# KiCad board d20_tri_r0.3_4x1.kicad_pcb (continued)
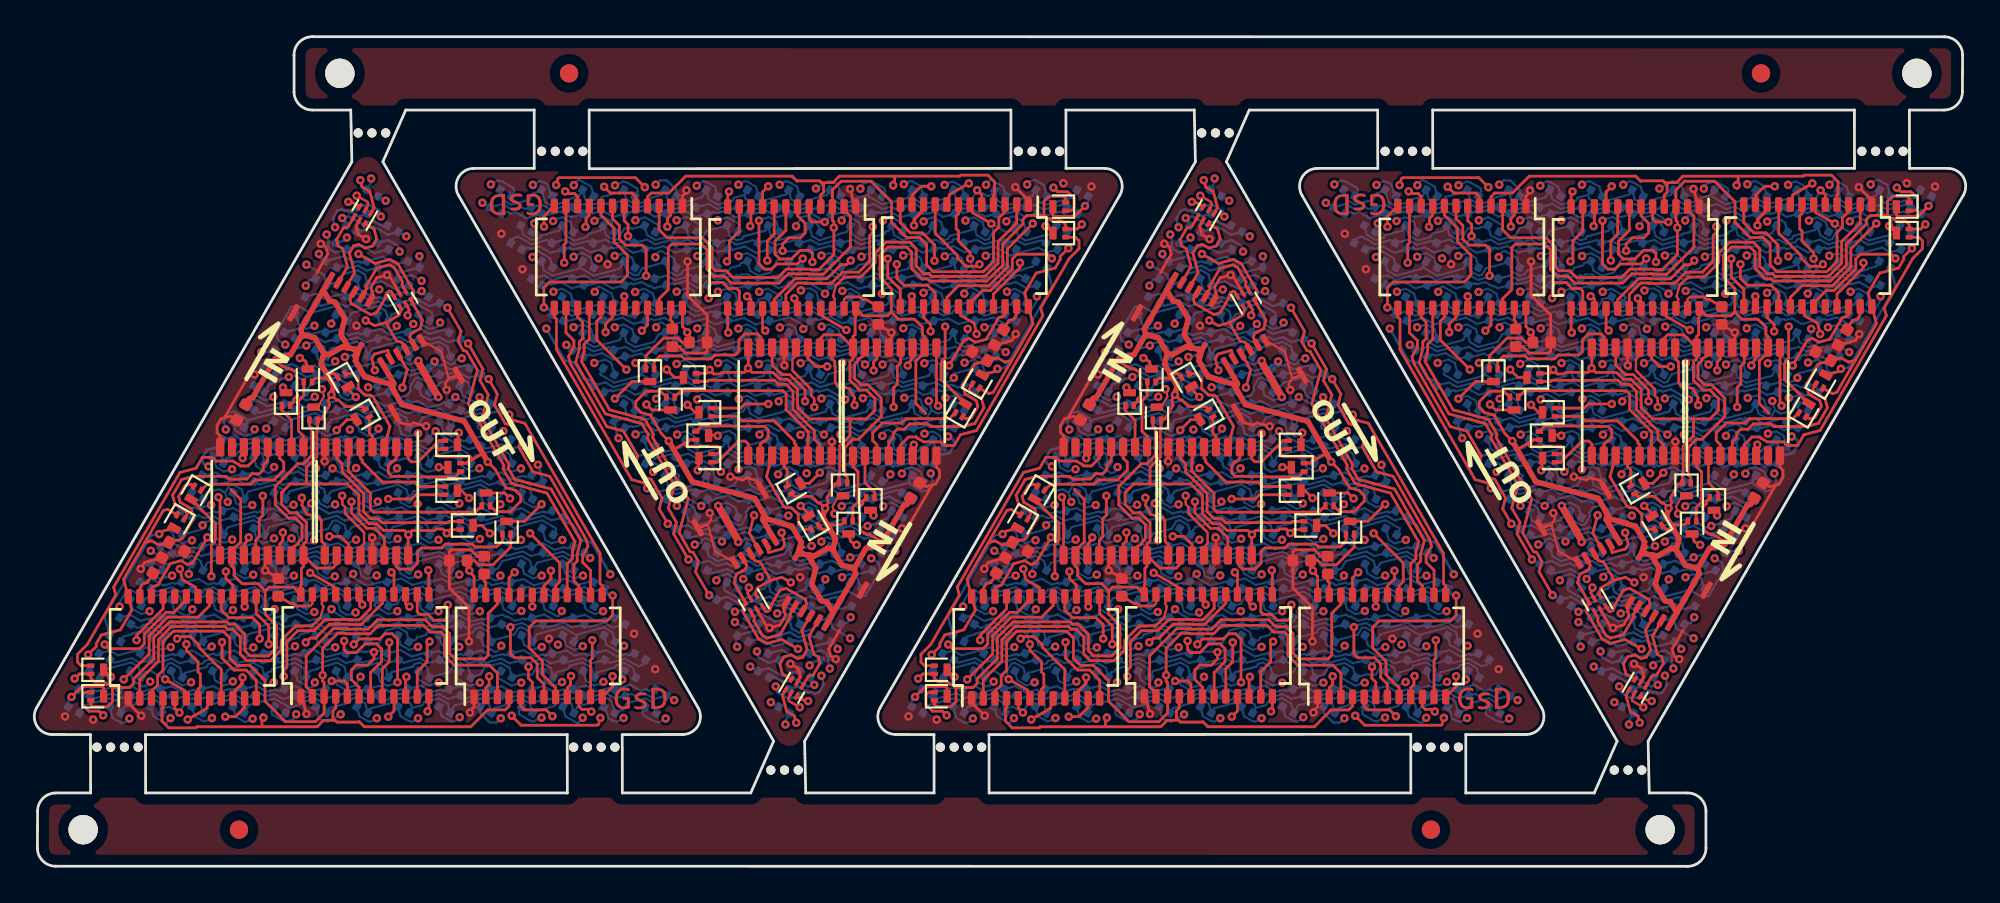
[diagram p0: board, top side]
## Routing (per net, layer and track width the routed paths; a pad name or vN(x,y) marks a point on that pad's centre or on a via; arc(x,y) is an arc through that point) (continued)
row_9: length 153.9
  Top w0.15: Q10.3 44.52,17.72 v1(44.85,17.53) 44.84,17.53 44.69,17.61 ; 14.64,27.64 14.49,27.72 v1(14.49,27.72) 14.81,27.53 Q10#2.3 ; 90.69,17.61 90.84,17.53 v1(90.85,17.53) 90.52,17.72 Q10#3.3 ; 60.64,27.64 60.49,27.72 v1(60.49,27.72) 60.81,27.53 Q10#4.3
  In1.Cu w0.4: v1(10.84,13.98) 11.58,12.68 11.56,12.6 v1(11.94,11.94) 13.04,10.03 v1(13.05,10.03) 13.54,9.19 13.81,9.11 v1(14.28,8.3) ; v1(8.6,17.78) 8.88,16.73 v1(8.43,15.94) ; v1(94.5,31.28) 93.75,32.57 93.77,32.65 v1(93.39,33.32) 92.29,35.22 v1(92.28,35.22) 91.79,36.07 91.52,36.14 v1(91.05,36.96) ; v1(96.73,27.47) 96.45,28.52 v1(96.9,29.31) ; v1(54.43,15.94) 54.88,16.73 v1(54.6,17.78) ; v1(56.84,13.98) 57.58,12.68 57.56,12.6 v1(57.94,11.94) 59.04,10.03 v1(59.05,10.03) 59.54,9.19 59.81,9.11 v1(60.28,8.3) ; v1(50.73,27.47) 50.45,28.52 v1(50.9,29.31) ; v1(48.5,31.28) 47.75,32.57 47.77,32.65 v1(47.39,33.32) 46.29,35.22 v1(46.28,35.22) 45.79,36.07 45.52,36.14 v1(45.05,36.96)
  In2.Cu w0.15: v1(10.84,13.98) 10.56,15.02 10.27,15.19 10.03,16.07 9.54,16.36 9,17.29 8.69,17.47 v1(8.6,17.78) 8.67,17.9 8.38,19.01 9.31,20.62 ; 9.31,20.62 10.44,20.92 ; 9.31,20.62 10.56,20.96 10.69,20.88 11.35,21.06 11.5,21.33 11.97,21.45 12.78,22.86 13.62,23.08 14.51,24.63 14.51,26.25 14.23,27.28 v1(14.49,27.72) ; v1(94.5,31.28) 94.77,30.24 95.06,30.07 95.3,29.18 95.8,28.9 96.33,27.97 96.65,27.79 v1(96.73,27.47) 96.66,27.35 96.96,26.25 96.02,24.63 ; 96.02,24.63 94.89,24.33 ; 96.02,24.63 94.77,24.3 94.64,24.37 93.99,24.2 93.83,23.93 93.36,23.8 92.55,22.4 91.71,22.17 90.82,20.63 90.82,19.01 91.1,17.97 v1(90.85,17.53) ; 55.31,20.62 56.56,20.96 56.69,20.88 57.35,21.06 57.5,21.33 57.97,21.45 58.78,22.86 59.62,23.08 60.51,24.63 60.51,26.25 60.23,27.28 v1(60.49,27.72) ; 55.31,20.62 56.44,20.92 ; 55.31,20.62 54.38,19.01 54.67,17.9 v1(54.6,17.78) 54.69,17.47 55,17.29 55.54,16.36 56.03,16.07 56.27,15.19 56.56,15.02 v1(56.84,13.98) ; v1(44.85,17.53) 45.1,17.97 44.82,19.01 44.82,20.63 45.71,22.17 46.55,22.4 47.36,23.8 47.83,23.93 47.99,24.2 48.64,24.37 48.77,24.3 50.02,24.63 ; v1(48.5,31.28) 48.77,30.24 49.06,30.07 49.3,29.18 49.8,28.9 50.33,27.97 50.65,27.79 v1(50.73,27.47) 50.66,27.35 50.96,26.25 50.02,24.63 ; 50.02,24.63 48.89,24.33
  Bottom w0.114: D150.1 51.71,27.37 51.28,27.62 v1(50.73,27.47) ; D147.1 48.35,33.17 47.87,33.45 v1(47.39,33.32) ; D148.1 49.47,31.23 49,31.5 48.55,31.38 v1(48.5,31.28) ; v1(11.94,11.94) 11.46,11.81 10.98,12.08 D147#2.1 ; v1(10.84,13.98) 10.78,13.88 10.33,13.76 9.86,14.03 D148#2.1 ; D150#2.1 7.62,17.88 8.05,17.64 v1(8.6,17.78) ; v1(14.28,8.3) 14.12,8.01 13.65,7.89 12.97,8.28 12.93,8.43 D145#2.1 ; v1(8.43,15.94) 8.38,16.12 D149#2.1 ; v1(93.39,33.32) 93.87,33.45 94.35,33.17 D147#3.1 ; v1(94.5,31.28) 94.55,31.38 95,31.5 95.47,31.23 D148#3.1 ; D150#3.1 97.71,27.37 97.28,27.62 v1(96.73,27.47) ; v1(91.05,36.96) 91.21,37.24 91.68,37.37 92.36,36.97 92.4,36.82 D145#3.1 ; v1(96.9,29.31) 96.95,29.14 D149#3.1 ; v1(57.94,11.94) 57.46,11.81 56.98,12.08 D147#4.1 ; v1(56.84,13.98) 56.78,13.88 56.33,13.76 55.86,14.03 D148#4.1 ; D150#4.1 53.62,17.88 54.05,17.64 v1(54.6,17.78) ; v1(60.28,8.3) 60.12,8.01 59.65,7.89 58.97,8.28 58.93,8.43 D145#4.1 ; v1(54.43,15.94) 54.38,16.12 D149#4.1 ; D149.1 50.95,29.14 v1(50.9,29.31) ; D145.1 46.4,36.82 46.36,36.97 45.68,37.37 45.21,37.24 v1(45.05,36.96)
  Bottom w0.127: v1(46.28,35.22) 46.31,35.28 46.78,35.4 47.49,34.99 47.52,34.88 D146.1 ; D146#2.1 11.81,10.38 11.84,10.26 12.55,9.85 13.02,9.98 v1(13.05,10.03) ; D146#3.1 93.52,34.88 93.49,34.99 92.78,35.4 92.31,35.28 v1(92.28,35.22) ; D146#4.1 57.81,10.38 57.84,10.26 58.55,9.85 59.02,9.98 v1(59.05,10.03)
row_10: length 128.1
  Top w0.15: 45.78,19.23 45.76,19.33 Q11.3 45.78,19.31 ; 13.55,25.94 Q11#2.3 13.57,25.93 13.55,26.03 ; 91.78,19.31 Q11#3.3 91.76,19.33 91.78,19.23 ; 59.55,25.94 Q11#4.3 59.57,25.93 59.55,26.03
  In1.Cu w0.15: v1(13.56,26.12) 13.17,26.22 13.15,26.26 10.6,25.57 7.64,20.43 8.16,18.47 7.78,17.79 7.96,17.09 7.43,16.17 v1(7.51,15.86) ; v1(91.77,19.14) 92.16,19.03 92.18,19 94.73,19.68 97.69,24.82 97.17,26.79 97.55,27.46 97.37,28.16 97.9,29.09 v1(97.82,29.4) ; v1(59.56,26.12) 59.17,26.22 59.15,26.26 56.6,25.57 53.64,20.43 54.16,18.47 53.78,17.79 53.96,17.09 53.43,16.17 v1(53.51,15.86) ; v1(51.82,29.4) 51.9,29.09 51.37,28.16 51.55,27.46 51.17,26.79 51.69,24.82 48.73,19.68 46.18,19 46.16,19.03 v1(45.77,19.14)
  In1.Cu w0.4: v1(11.91,8.05) 10.8,9.97 v1(10.83,10.08) 10.09,11.36 10.02,11.38 v1(9.67,11.98) 8.58,13.88 v1(8.62,14.01) ; v1(93.42,37.2) 94.53,35.28 v1(94.5,35.17) 95.24,33.89 95.31,33.88 v1(95.66,33.27) 96.75,31.38 v1(96.72,31.24) ; v1(57.91,8.05) 56.8,9.97 v1(56.83,10.08) 56.09,11.36 56.02,11.38 v1(55.67,11.98) 54.58,13.88 v1(54.62,14.01) ; v1(50.72,31.24) 50.75,31.38 v1(49.66,33.27) 49.31,33.88 49.24,33.89 v1(48.5,35.17) 48.53,35.28 v1(47.42,37.2)
  In2.Cu w0.15: 50.83,31.3 50.83,31.3 ; v1(8.62,14.01) 7.98,15.11 7.81,15.16 7.38,15.9 ; 96.83,31.3 96.83,31.3 ; v1(96.72,31.24) 97.35,30.14 97.52,30.1 97.95,29.36 ; v1(54.62,14.01) 53.98,15.11 53.81,15.16 53.38,15.9 ; v1(50.72,31.24) 51.35,30.14 51.52,30.1 51.95,29.36
  Bottom w0.114: v1(49.66,33.27) 49.9,33.34 49.93,33.39 50.13,33.44 50.59,33.17 D163.1 ; v1(48.5,35.17) 48.56,35.27 49,35.39 49.47,35.12 D162.1 ; v1(50.72,31.24) 50.88,31.52 51.1,31.58 51.72,31.23 D164.1 ; D162#2.1 9.86,10.14 10.33,9.87 10.77,9.99 v1(10.83,10.08) ; D163#2.1 8.74,12.08 9.21,11.81 9.4,11.86 9.43,11.92 v1(9.67,11.98) ; v1(8.62,14.01) 8.45,13.73 8.23,13.67 7.61,14.03 D164#2.1 ; D161#2.1 11,8.15 11.48,7.87 11.66,7.92 11.7,8 v1(11.91,8.05) ; v1(7.51,15.86) 7.2,15.77 7.2,15.77 6.85,15.67 6.52,15.86 D165#2.1 ; D162#4.1 95.47,35.12 95,35.39 94.56,35.27 v1(94.5,35.17) ; D163#3.1 96.59,33.17 96.13,33.44 95.93,33.39 95.9,33.34 v1(95.66,33.27) ; v1(96.72,31.24) 96.88,31.52 97.1,31.58 97.72,31.23 D164#4.1 ; D161#4.1 94.33,37.1 93.85,37.38 93.67,37.34 93.63,37.26 v1(93.42,37.2) ; v1(97.82,29.4) 98.13,29.48 98.13,29.49 98.48,29.58 98.81,29.39 D165#4.1 ; D162#3.1 55.86,10.14 56.33,9.87 56.77,9.99 v1(56.83,10.08) ; D163#4.1 54.74,12.08 55.21,11.81 55.4,11.86 55.43,11.92 v1(55.67,11.98) ; v1(54.62,14.01) 54.45,13.73 54.23,13.67 53.61,14.03 D164#3.1 ; D161#3.1 57,8.15 57.48,7.87 57.66,7.92 57.7,8 v1(57.91,8.05) ; v1(53.51,15.86) 53.2,15.77 53.2,15.77 52.85,15.67 52.52,15.86 D165#3.1 ; D161.1 48.33,37.1 47.85,37.38 47.67,37.34 47.63,37.26 v1(47.42,37.2) ; D165.1 52.81,29.39 52.48,29.58 52.13,29.49 52.13,29.48 v1(51.82,29.4)
row_11: length 100.4
  Top w0.15: v1(9.66,15.82) 9.66,17.52 9.82,17.68 9.88,17.89 9.88,18.69 Q12#2.3 ; v1(55.66,15.82) 55.66,17.52 55.82,17.68 55.88,17.89 55.88,18.69 Q12#4.3 ; v1(95.67,29.44) 95.67,27.74 95.51,27.57 95.45,27.37 95.45,26.56 Q12#3.3 ; Q12.3 49.45,26.56 49.45,27.37 49.51,27.57 49.67,27.74 v1(49.67,29.44)
  In1.Cu w0.15: 51.33,34.31 51.34,34.31 ; 8,10.94 7.99,10.95 ; 97.33,34.31 97.34,34.31 ; 54,10.94 53.99,10.95
  In1.Cu w0.2: 53.08,31.31 53.11,31.3 ; 6.25,13.94 6.22,13.95 ; v1(9.66,15.82) 7.85,14.78 7.71,14.26 9.17,11.73 9.14,11.6 8,10.94 ; v1(55.66,15.82) 53.85,14.78 53.71,14.26 55.17,11.73 55.14,11.6 54,10.94 ; 99.08,31.31 99.11,31.3 ; v1(95.67,29.44) 97.48,30.48 97.62,30.99 96.16,33.52 96.19,33.65 97.33,34.31 ; 52.25,13.94 52.22,13.95 ; 51.33,34.31 50.19,33.65 50.16,33.52 51.62,30.99 51.48,30.48 v1(49.67,29.44)
  In1.Cu w0.4: v1(6.29,13.91) 6.66,13.27 6.62,13.12 7.18,12.15 7.36,12.1 v1(7.44,11.96) 8.55,10.04 v1(8.55,10.04) 9.67,8.09 v1(9.69,8.09) ; v1(52.29,13.91) 52.66,13.27 52.62,13.12 53.18,12.15 53.36,12.1 v1(53.44,11.96) 54.55,10.04 v1(54.55,10.04) 55.67,8.09 v1(55.69,8.09) ; v1(99.04,31.34) 98.67,31.99 98.71,32.14 98.15,33.11 97.97,33.16 v1(97.89,33.3) 96.78,35.22 v1(96.78,35.22) 95.66,37.16 v1(95.64,37.17) ; v1(53.04,31.34) 52.67,31.99 52.71,32.14 52.15,33.11 51.97,33.16 v1(51.89,33.3) 50.78,35.22 v1(50.78,35.22) 49.66,37.16 v1(49.64,37.17)
  Bottom w0.114: v1(53.04,31.34) 53.07,31.38 53.5,31.5 53.96,31.23 D180.1 ; 51.9,33.26 51.94,33.33 52.37,33.44 52.84,33.17 D179.1 ; D178.1 51.72,35.12 51.25,35.39 50.81,35.27 v1(50.78,35.22) ; v1(8.55,10.04) 8.52,9.99 8.08,9.87 7.62,10.14 D178#2.1 ; D179#2.1 6.49,12.08 6.96,11.81 7.39,11.93 7.43,11.99 ; v1(6.29,13.91) 6.26,13.87 5.83,13.76 5.37,14.03 D180#2.1 ; D177#2.1 8.74,8.19 9.23,7.91 9.65,8.02 v1(9.69,8.09) ; D177#4.1 54.74,8.19 55.23,7.91 55.65,8.02 v1(55.69,8.09) ; v1(96.78,35.22) 96.81,35.27 97.25,35.39 97.72,35.12 D178#3.1 ; D179#3.1 98.84,33.17 98.37,33.44 97.94,33.33 97.9,33.26 ; v1(99.04,31.34) 99.07,31.38 99.5,31.5 99.96,31.23 D180#4.1 ; D177#3.1 96.59,37.06 96.1,37.35 95.68,37.24 v1(95.64,37.17) ; v1(54.55,10.04) 54.52,9.99 54.08,9.87 53.62,10.14 D178#4.1 ; D179#4.1 52.49,12.08 52.96,11.81 53.39,11.93 53.43,11.99 ; v1(52.29,13.91) 52.26,13.87 51.83,13.76 51.37,14.03 D180#3.1 ; D177.1 50.59,37.06 50.1,37.35 49.68,37.24 v1(49.64,37.17)
row_12: length 93
  Top w0.15: Q13#2.3 6.88,18.25 v1(6.81,18.12) ; Q13#3.3 52.88,18.25 v1(52.81,18.12) ; Q13#4.3 98.45,27 v1(98.52,27.13) ; v1(52.52,27.13) 52.45,27 Q13.3
  In1.Cu w0.15: 6.77,18.15 6.48,18.31 5.97,18.17 4.72,16.01 4.76,15.87 4.47,15.37 ; 52.77,18.15 52.48,18.31 51.97,18.17 50.72,16.01 50.76,15.87 50.47,15.37 ; 98.56,27.11 98.85,26.95 99.36,27.08 100.61,29.25 100.57,29.39 100.86,29.88 ; 52.56,27.11 52.85,26.95 53.36,27.08 54.61,29.25 54.57,29.39 54.86,29.88
  In1.Cu w0.25: v1(7.43,8.08) 7.44,8.14 v1(6.32,10.08) 4.25,13.66 4.01,14.57 4.47,15.37 ; v1(53.43,8.08) 53.44,8.14 v1(52.32,10.08) 50.25,13.66 50.01,14.57 50.47,15.37 ; v1(97.91,37.17) 97.89,37.12 v1(99.01,35.18) 101.08,31.59 101.32,30.69 100.86,29.88 ; v1(51.91,37.17) 51.89,37.12 v1(53.01,35.18) 55.08,31.59 55.32,30.69 54.86,29.88
  Bottom w0.114: 51.95,37.14 52.11,37.42 52.19,37.44 52.84,37.06 D193.1 ; D193#2.1 6.49,8.19 7.14,7.82 7.22,7.84 7.38,8.12 ; v1(6.32,10.08) 6.06,9.82 5.89,9.82 5.37,10.12 D194#2.1 ; D193#3.1 52.49,8.19 53.14,7.82 53.22,7.84 53.38,8.12 ; v1(52.32,10.08) 52.06,9.82 51.89,9.82 51.37,10.12 D194#3.1 ; D193#4.1 98.84,37.06 98.19,37.44 98.11,37.42 97.95,37.14 ; v1(99.01,35.18) 99.27,35.43 99.44,35.43 99.96,35.14 D194#4.1 ; D194.1 53.96,35.14 53.44,35.43 53.27,35.43 v1(53.01,35.18)
  Bottom w0.127: 6.77,18.15 6.38,18.04 3.83,13.63 D195#2.1 ; 52.77,18.15 52.38,18.04 49.83,13.63 D195#3.1 ; 98.56,27.11 98.95,27.21 101.5,31.63 D195#4.1 ; D195.1 55.5,31.63 52.95,27.21 52.56,27.11
row_13: length 27.5
  Top w0.15: v1(4.18,10.34) 4.16,10.34 Q14#2.3 ; v1(50.18,10.34) 50.16,10.34 Q14#4.3 ; v1(101.15,34.92) 101.17,34.92 Q14#3.3 ; Q14.3 55.17,34.92 v1(55.15,34.92)
  In1.Cu w0.25: v1(4.18,10.34) 4.18,9.07 v1(5.19,8.06) ; v1(50.18,10.34) 50.18,9.07 v1(51.19,8.06) ; v1(101.15,34.92) 101.15,36.19 v1(100.14,37.19) ; v1(54.14,37.19) 55.15,36.19 v1(55.15,34.92)
  Bottom w0.114: v1(4.18,10.34) 3.97,9.97 3.59,9.87 3.12,10.14 D210#2.1 ; D209#2.1 4.27,8.1 4.76,7.82 5.09,7.91 v1(5.19,8.06) ; v1(50.18,10.34) 49.97,9.97 49.59,9.87 49.12,10.14 D210#3.1 ; D209#3.1 50.27,8.1 50.76,7.82 51.09,7.91 v1(51.19,8.06) ; v1(101.15,34.92) 101.36,35.29 101.74,35.39 102.21,35.12 D210#4.1 ; D209#4.1 101.06,37.16 100.57,37.44 100.24,37.35 v1(100.14,37.19) ; D209.1 55.06,37.16 54.57,37.44 54.24,37.35 v1(54.14,37.19) ; D210.1 56.21,35.12 55.74,35.39 55.36,35.29 v1(55.15,34.92)
row_14: length 12.3
  Top w0.15: v1(2.03,9.24) 2.6,9.81 3.69,9.81 3.78,9.72 Q15#2.3 ; v1(48.03,9.24) 48.6,9.81 49.69,9.81 49.78,9.72 Q15#4.3 ; v1(103.3,36.02) 102.73,35.44 101.64,35.44 101.55,35.53 Q15#3.3 ; Q15.3 55.55,35.53 55.64,35.44 56.73,35.44 v1(57.3,36.02)
  Bottom w0.114: D225#2.1 1.86,9.07 v1(2.03,9.24) ; D225#3.1 47.86,9.07 v1(48.03,9.24) ; D225#4.1 103.47,36.19 v1(103.3,36.02) ; v1(57.3,36.02) 57.47,36.19 D225.1
sclk: length 316.5
  Top w0.15: v1(47.64,27.31) 48,27.94 U5.11 ; U5#2.11 11.34,17.32 v1(11.69,17.94) ; U4#2.11 17.14,17.56 16.71,17.99 v1(16.09,17.99) ; U3#2.3 6.39,9.55 6.73,9.88 6.73,10.39 7.02,10.68 7.02,12.26 7.59,12.83 10.29,12.83 10.67,12.46 10.67,11.35 11.05,10.96 11.75,10.96 12.58,10.13 12.58,9.01 13.7,7.89 15.33,7.89 15.8,8.36 U2#2.3 15.8,10.02 15.73,10.1 v1(15.73,10.42) 15.73,11.89 16.55,12.71 16.99,12.71 17.02,12.68 18.31,12.68 18.77,13.14 21.23,13.14 21.6,12.77 22.19,12.77 22.37,12.59 22.37,11.5 22.9,10.97 24.82,10.97 25.26,10.53 U1#2.3 ; J2#2.5 20.48,28.83 20.54,29.06 20.69,29.14 20.71,29.13 21.04,29.33 21.17,29.79 U7#2.6 20.69,31.36 19.83,32.86 19.4,33.11 18.57,32.88 v1(17.68,33.4) ; U5#3.11 57.34,17.32 v1(57.69,17.94) ; U4#4.11 63.14,17.56 62.71,17.99 v1(62.09,17.99) ; U3#4.3 52.39,9.55 52.73,9.88 52.73,10.39 53.02,10.68 53.02,12.26 53.59,12.83 56.29,12.83 56.67,12.46 56.67,11.35 57.05,10.96 57.75,10.96 58.58,10.13 58.58,9.01 59.7,7.89 61.33,7.89 61.8,8.36 U2#3.3 61.8,10.02 61.73,10.1 v1(61.73,10.42) 61.73,11.89 62.55,12.71 62.99,12.71 63.02,12.68 64.31,12.68 64.77,13.14 67.23,13.14 67.6,12.77 68.19,12.77 68.37,12.59 68.37,11.5 68.9,10.97 70.82,10.97 71.26,10.53 U1#3.3 ; J2#3.5 66.48,28.83 66.54,29.06 66.69,29.14 66.71,29.13 67.04,29.33 67.17,29.79 U7#4.6 66.69,31.36 65.83,32.86 65.4,33.11 64.57,32.88 v1(63.68,33.4) ; U5#4.11 94,27.94 v1(93.64,27.31) ; U4#3.11 88.19,27.7 88.62,27.26 v1(89.24,27.26) ; U3#3.3 98.94,35.71 98.6,35.37 98.6,34.86 98.31,34.57 98.31,32.99 97.74,32.43 95.04,32.43 94.66,32.8 94.66,33.91 94.28,34.29 93.58,34.29 92.75,35.12 92.75,36.25 91.63,37.37 90,37.37 89.53,36.89 U2#4.3 89.53,35.23 89.61,35.16 v1(89.61,34.83) 89.61,33.37 88.79,32.55 88.34,32.55 88.32,32.57 87.02,32.57 86.56,32.11 84.1,32.11 83.74,32.48 83.15,32.48 82.97,32.66 82.97,33.75 82.44,34.28 80.51,34.28 80.08,34.72 U1#4.3 ; J2#4.5 84.85,16.43 84.79,16.2 84.65,16.12 84.63,16.12 84.29,15.93 84.16,15.47 U7#3.6 84.64,13.89 85.5,12.39 85.93,12.15 86.76,12.37 v1(87.65,11.86) ; U1.3 34.08,34.72 34.51,34.28 36.44,34.28 36.97,33.75 36.97,32.66 37.15,32.48 37.74,32.48 38.1,32.11 40.56,32.11 41.02,32.57 42.32,32.57 42.34,32.55 42.79,32.55 43.61,33.37 v1(43.61,34.83) 43.61,35.16 43.53,35.23 U2.3 43.53,36.89 44,37.37 45.63,37.37 46.75,36.25 46.75,35.12 47.58,34.29 48.28,34.29 48.66,33.91 48.66,32.8 49.04,32.43 51.74,32.43 52.31,32.99 52.31,34.57 52.6,34.86 52.6,35.37 52.94,35.71 U3.3 ; J2.5 38.85,16.43 38.79,16.2 38.65,16.12 38.63,16.12 38.29,15.93 38.16,15.47 U7.6 38.64,13.89 39.5,12.39 39.93,12.15 40.76,12.37 v1(41.65,11.86) ; U4.11 42.19,27.7 42.62,27.26 v1(43.24,27.26)
  In2.Cu w0.15: v1(15.73,10.42) 15.73,10.92 15.6,11.05 15.6,12.9 14.61,13.89 14.61,16.52 v1(16.09,17.99) ; v1(16.09,17.99) 15.86,18.22 15.86,20.42 15.6,20.68 14.59,20.68 13.38,19.98 11.69,18.29 v1(11.69,17.94) ; v1(16.09,17.99) 18.58,19.43 19.51,19.19 19.76,19.43 19.76,20.71 19.26,21.21 19.26,22.89 19.54,23.18 19.54,25.02 19.81,25.29 19.81,25.75 19.81,25.76 19.61,26.11 19.7,26.44 19.32,27.83 18.61,29.06 18.61,29.06 18.4,29.42 18.64,30.31 17.42,32.43 v1(17.68,33.4) ; v1(61.73,10.42) 61.73,10.92 61.6,11.05 61.6,12.9 60.61,13.89 60.61,16.52 v1(62.09,17.99) ; v1(62.09,17.99) 61.86,18.22 61.86,20.42 61.6,20.68 60.59,20.68 59.38,19.98 57.69,18.29 v1(57.69,17.94) ; v1(62.09,17.99) 64.58,19.43 65.51,19.19 65.76,19.43 65.76,20.71 65.26,21.21 65.26,22.89 65.54,23.18 65.54,25.02 65.81,25.29 65.81,25.75 65.81,25.76 65.61,26.11 65.7,26.44 65.32,27.83 64.61,29.06 64.61,29.06 64.4,29.42 64.64,30.31 63.42,32.43 v1(63.68,33.4) ; v1(89.61,34.83) 89.61,34.33 89.74,34.2 89.74,32.35 90.72,31.37 90.72,28.74 v1(89.24,27.26) ; v1(89.24,27.26) 89.47,27.03 89.47,24.83 89.73,24.58 90.74,24.58 91.95,25.27 93.64,26.96 v1(93.64,27.31) ; v1(89.24,27.26) 86.75,25.82 85.82,26.07 85.57,25.82 85.58,24.54 86.08,24.04 86.08,22.36 85.79,22.08 85.79,20.23 85.52,19.97 85.52,19.51 85.52,19.5 85.72,19.15 85.63,18.81 86.01,17.43 86.72,16.2 86.72,16.2 86.93,15.84 86.69,14.94 87.91,12.82 v1(87.65,11.86) ; v1(47.64,27.31) 47.64,26.96 45.95,25.27 44.74,24.58 43.73,24.58 43.47,24.83 43.47,27.03 v1(43.24,27.26) ; v1(41.65,11.86) 41.91,12.82 40.69,14.94 40.93,15.84 40.72,16.2 40.72,16.2 40.01,17.43 39.63,18.81 39.72,19.15 39.52,19.5 39.52,19.51 39.52,19.97 39.79,20.23 39.79,22.08 40.08,22.36 40.08,24.04 39.58,24.54 39.57,25.82 39.82,26.07 40.75,25.82 v1(43.24,27.26) ; v1(43.24,27.26) 44.72,28.74 44.72,31.37 43.74,32.35 43.74,34.2 43.61,34.33 v1(43.61,34.83)
sclk_i: length 16.9
  Top w0.15: J1#2.5 18.12,31.51 18.09,31.63 18.66,32.61 19.39,32.81 19.61,32.68 20.09,31.86 20.05,31.72 U7#2.1 ; J1#3.5 64.12,31.51 64.09,31.63 64.66,32.61 65.39,32.81 65.61,32.68 66.09,31.86 66.05,31.72 U7#4.1 ; J1#4.5 87.21,13.74 87.24,13.63 86.67,12.64 85.94,12.45 85.72,12.58 85.24,13.4 85.28,13.53 U7#3.1 ; U7.1 39.28,13.53 39.24,13.4 39.72,12.58 39.94,12.45 40.67,12.64 41.24,13.63 41.21,13.74 J1.5
sdo_U1>sdi_U2: length 72.8
  Top w0.15: U2#2.2 15.17,9.44 14.83,9.79 14.83,11.49 16.3,12.96 17.09,12.96 17.12,12.94 18.21,12.94 18.72,13.45 21.32,13.45 21.7,13.07 22.27,13.07 22.64,12.7 22.64,11.63 22.96,11.31 24.56,11.31 24.76,11.51 24.76,13.8 25.26,14.3 U1#2.22 ; U2#4.2 90.16,35.81 90.5,35.47 90.5,33.77 89.03,32.29 88.24,32.29 88.21,32.32 87.12,32.32 86.61,31.81 84.01,31.81 83.64,32.18 83.07,32.18 82.69,32.56 82.69,33.63 82.38,33.94 80.78,33.94 80.58,33.74 80.58,31.46 80.08,30.96 U1#4.22 ; U2#3.2 61.17,9.44 60.83,9.79 60.83,11.49 62.3,12.96 63.09,12.96 63.12,12.94 64.21,12.94 64.72,13.45 67.32,13.45 67.7,13.07 68.27,13.07 68.64,12.7 68.64,11.63 68.96,11.31 70.56,11.31 70.76,11.51 70.76,13.8 71.26,14.3 U1#3.22 ; U2.2 44.16,35.81 44.5,35.47 44.5,33.77 43.03,32.29 42.24,32.29 42.21,32.32 41.12,32.32 40.61,31.81 38.01,31.81 37.64,32.18 37.07,32.18 36.69,32.56 36.69,33.63 36.38,33.94 34.78,33.94 34.58,33.74 34.58,31.46 34.08,30.96 U1.22
sdo_U2>sdi_U3: length 66.8
  Top w0.127: 15.61,13.58 15.77,14.16 15.67,14.33 U2#2.22 ; 89.72,31.68 89.56,31.09 89.66,30.92 U2#4.22 ; 61.61,13.58 61.77,14.16 61.67,14.33 U2#3.22 ; 43.72,31.68 43.56,31.09 43.66,30.92 U2.22
  Top w0.15: 15.61,13.58 15.15,13.11 14.26,13.11 13.47,12.32 13.47,11.81 12.88,11.21 11.59,11.21 11.24,11.56 11.24,12.51 10.83,12.92 10.55,12.92 10.4,13.08 7.48,13.08 6.77,12.37 6.77,11.18 5.75,10.17 U3#2.2 ; 89.72,31.68 90.18,32.14 91.07,32.14 91.86,32.93 91.86,33.45 92.46,34.04 93.75,34.04 94.1,33.69 94.1,32.74 94.5,32.33 94.78,32.33 94.93,32.18 97.85,32.18 98.56,32.89 98.56,34.07 99.58,35.09 U3#3.2 ; 61.61,13.58 61.15,13.11 60.26,13.11 59.47,12.32 59.47,11.81 58.88,11.21 57.59,11.21 57.24,11.56 57.24,12.51 56.83,12.92 56.55,12.92 56.4,13.08 53.48,13.08 52.77,12.37 52.77,11.18 51.75,10.17 U3#4.2 ; U3.2 53.58,35.09 52.56,34.07 52.56,32.89 51.85,32.18 48.93,32.18 48.78,32.33 48.5,32.33 48.1,32.74 48.1,33.69 47.75,34.04 46.46,34.04 45.86,33.45 45.86,32.93 45.07,32.14 44.18,32.14 43.72,31.68
sdo_U3: length 78.8
  Top w0.15: v1(9.44,17.95) 8.63,16.54 8.35,16.47 8,16.67 7.42,16.51 6.75,15.34 6.46,15.26 6.31,15.01 U3#2.22 ; U4#2.14 19.09,17.92 18.57,18.43 18.14,18.43 17.3,19.27 v1(17.3,19.89) ; v1(95.89,27.31) 96.7,28.71 96.98,28.79 97.33,28.59 97.91,28.75 98.58,29.91 98.87,29.99 99.02,30.25 U3#3.22 ; U4#3.14 86.24,27.34 86.76,26.82 87.19,26.82 88.03,25.98 v1(88.03,25.37) ; v1(55.44,17.95) 54.63,16.54 54.35,16.47 54,16.67 53.42,16.51 52.75,15.34 52.46,15.26 52.31,15.01 U3#4.22 ; U4#4.14 65.09,17.92 64.57,18.43 64.14,18.43 63.3,19.27 v1(63.3,19.89) ; U4.14 40.24,27.34 40.76,26.82 41.19,26.82 42.03,25.98 v1(42.03,25.37) ; U3.22 53.02,30.25 52.87,29.99 52.58,29.91 51.91,28.75 51.33,28.59 50.98,28.79 50.7,28.71 v1(49.89,27.31)
  In2.Cu w0.15: v1(9.44,17.95) 9.44,18.27 10.2,19.03 10.33,19.03 10.97,19.2 11.45,20.03 11.71,20.1 12.47,20.85 13.72,20.85 14.15,21.28 16.82,21.28 17.3,20.8 v1(17.3,19.89) ; v1(95.89,27.31) 95.89,26.98 95.13,26.23 95,26.23 94.36,26.06 93.88,25.23 93.62,25.16 92.87,24.41 91.62,24.41 91.18,23.97 88.51,23.97 88.03,24.45 v1(88.03,25.37) ; v1(55.44,17.95) 55.44,18.27 56.2,19.03 56.33,19.03 56.97,19.2 57.45,20.03 57.71,20.1 58.47,20.85 59.72,20.85 60.15,21.28 62.82,21.28 63.3,20.8 v1(63.3,19.89) ; v1(42.03,25.37) 42.03,24.45 42.51,23.97 45.18,23.97 45.62,24.41 46.87,24.41 47.62,25.16 47.88,25.23 48.36,26.06 49,26.23 49.13,26.23 49.89,26.98 v1(49.89,27.31)
sdo_U4>sdi_U5: length 30.3
  Top w0.15: v1(14.59,20.1) 14.66,19.98 14.59,19.71 14.89,19.2 15.55,19.02 15.66,18.84 15.66,18 15.67,17.98 15.67,17.73 15.84,17.56 U4#2.9 ; v1(13.56,18.21) 13.56,17.75 13.38,17.58 U5#2.14 ; v1(60.59,20.1) 60.66,19.98 60.59,19.71 60.89,19.2 61.55,19.02 61.66,18.84 61.66,18 61.67,17.98 61.67,17.73 61.84,17.56 U4#4.9 ; v1(59.56,18.21) 59.56,17.75 59.38,17.58 U5#3.14 ; v1(90.74,25.15) 90.67,25.28 90.74,25.55 90.44,26.06 89.78,26.24 89.68,26.41 89.68,27.26 89.66,27.27 89.66,27.53 89.49,27.7 U4#3.9 ; v1(91.77,27.05) 91.77,27.5 91.95,27.68 U5#4.14 ; v1(45.77,27.05) 45.77,27.5 45.95,27.68 U5.14 ; U4.9 43.49,27.7 43.66,27.53 43.66,27.27 43.68,27.26 43.68,26.41 43.78,26.24 44.44,26.06 44.74,25.55 44.67,25.28 v1(44.74,25.15)
  In2.Cu w0.15: v1(13.56,18.21) 13.84,18.37 14.03,19.07 14.51,19.35 14.59,19.49 14.59,19.49 v1(14.59,20.1) ; v1(59.56,18.21) 59.84,18.37 60.03,19.07 60.51,19.35 60.59,19.49 60.59,19.49 v1(60.59,20.1) ; v1(91.77,27.05) 91.49,26.88 91.3,26.18 90.82,25.9 90.74,25.77 90.74,25.76 v1(90.74,25.15) ; v1(44.74,25.15) 44.74,25.76 44.74,25.77 44.82,25.9 45.3,26.18 45.49,26.88 v1(45.77,27.05)
srow_0: length 31.8
  Top w0.15: U4#2.15 19.74,16.36 19.88,16.21 20.58,16.21 20.91,16.54 20.91,17.16 21.11,17.36 22.21,17.36 22.42,17.58 23.88,17.58 24.03,17.42 25.21,17.42 25.53,17.74 Q1#2.1 ; U4#3.15 85.59,28.9 85.45,29.04 84.75,29.04 84.43,28.71 84.43,28.09 84.23,27.89 83.13,27.89 82.91,27.68 81.45,27.68 81.3,27.83 80.12,27.83 79.8,27.52 Q1#4.1 ; U4#4.15 65.74,16.36 65.88,16.21 66.58,16.21 66.91,16.54 66.91,17.16 67.11,17.36 68.21,17.36 68.42,17.58 69.88,17.58 70.03,17.42 71.21,17.42 71.53,17.74 Q1#3.1 ; Q1.1 33.8,27.52 34.12,27.83 35.3,27.83 35.45,27.68 36.91,27.68 37.13,27.89 38.23,27.89 38.43,28.09 38.43,28.71 38.75,29.04 39.45,29.04 39.59,28.9 U4.15
srow_1: length 12.6
  Top w0.15: U4#2.1 20.39,22.23 20.56,22.06 20.93,22.06 22.08,23.21 Q2#2.1 ; U4#3.1 84.94,23.03 84.78,23.19 84.4,23.19 83.25,22.04 Q2#4.1 ; Q2#3.1 68.08,23.21 66.93,22.06 66.56,22.06 66.39,22.23 U4#4.1 ; U4.1 38.94,23.03 38.78,23.19 38.4,23.19 37.25,22.04 Q2.1
srow_2: length 23.1
  Top w0.15: U4#2.2 19.74,22.26 19.55,22.06 19.48,22.06 19.31,21.88 19.31,21.45 19.5,21.26 20.93,21.26 20.96,21.24 22.95,21.24 Q3#2.1 ; U4#3.2 85.59,23 85.78,23.19 85.85,23.19 86.03,23.37 86.03,23.8 85.84,23.99 84.4,23.99 84.37,24.02 82.38,24.02 Q3#4.1 ; U4#4.2 65.74,22.26 65.55,22.06 65.48,22.06 65.31,21.88 65.31,21.45 65.5,21.26 66.93,21.26 66.96,21.24 68.95,21.24 Q3#3.1 ; U4.2 39.59,23 39.78,23.19 39.85,23.19 40.03,23.37 40.03,23.8 39.84,23.99 38.4,23.99 38.37,24.02 36.38,24.02 Q3.1
srow_3: length 21.5
  Top w0.15: U4#2.3 19.4,24.01 18.47,25.62 18.33,25.7 18.03,25.7 17.67,26.07 17.67,26.58 17.37,26.88 Q4#2.1 ; U4#3.3 85.93,21.25 86.86,19.64 87,19.55 87.3,19.55 87.66,19.19 87.66,18.68 87.97,18.38 Q4#4.1 ; U4#4.3 65.4,24.01 64.47,25.62 64.33,25.7 64.03,25.7 63.67,26.07 63.67,26.58 63.37,26.88 Q4#3.1 ; Q4.1 41.97,18.38 41.66,18.68 41.66,19.19 41.3,19.55 41,19.55 40.86,19.64 39.93,21.25 U4.3
srow_4: length 6.9
  Top w0.15: U4#2.4 18.44,23.46 18.27,23.63 Q5#2.1 ; U4#4.4 64.44,23.46 64.27,23.63 Q5#3.1 ; U4#3.4 86.89,21.8 87.06,21.63 Q5#4.1 ; Q5.1 41.06,21.63 40.89,21.8 U4.4
srow_5: length 23.6
  Top w0.15: Q6#2.1 20.98,20.71 20.73,20.96 18.98,20.96 17.88,22.06 17.88,22.17 17.79,22.26 U4#2.5 ; U4#4.5 63.79,22.26 63.88,22.17 63.88,22.06 64.98,20.96 66.73,20.96 66.98,20.71 Q6#3.1 ; Q6#4.1 84.36,24.54 84.6,24.29 86.35,24.29 87.45,23.2 87.45,23.09 87.54,23 U4#3.5 ; U4.5 41.54,23 41.45,23.09 41.45,23.2 40.35,24.29 38.6,24.29 38.36,24.54 Q6.1
srow_6: length 40.7
  Top w0.15: Q7#2.1 24.06,19.31 18.51,19.31 18.33,19.49 18.33,20.35 17.13,21.55 17.13,21.99 17.14,22.01 U4#2.6 ; Q7#4.1 81.28,25.94 86.83,25.94 87,25.76 87,24.9 88.21,23.7 88.21,23.26 88.19,23.24 U4#3.6 ; Q7#3.1 70.06,19.31 64.51,19.31 64.33,19.49 64.33,20.35 63.13,21.55 63.13,21.99 63.14,22.01 U4#4.6 ; U4.6 42.19,23.24 42.21,23.26 42.21,23.7 41,24.9 41,25.76 40.83,25.94 35.28,25.94 Q7.1
srow_7: length 38.7
  Top w0.15: Q8#2.1 22.62,18.81 22.55,18.75 18.97,18.75 18.76,18.96 18.34,18.96 17.96,19.34 17.96,20.35 16.79,21.52 16.79,21.96 16.49,22.26 U4#2.7 ; Q8#3.1 68.62,18.81 68.55,18.75 64.97,18.75 64.76,18.96 64.34,18.96 63.96,19.34 63.96,20.35 62.79,21.52 62.79,21.96 62.49,22.26 U4#4.7 ; Q8#4.1 82.71,26.44 82.78,26.51 86.36,26.51 86.58,26.29 86.99,26.29 87.38,25.91 87.38,24.91 88.55,23.74 88.55,23.29 88.84,23 U4#3.7 ; Q8.1 36.71,26.44 36.78,26.51 40.36,26.51 40.58,26.29 40.99,26.29 41.38,25.91 41.38,24.91 42.55,23.74 42.55,23.29 42.84,23 U4.7
srow_8: length 38
  Top w0.15: Q9#2.1 15,24.04 15.13,23.91 15.13,22.4 14.69,21.96 14.38,21.96 13.14,20.72 13.14,19.72 13.87,18.98 14.26,18.98 14.6,18.64 14.6,17.88 14.43,17.72 14.4,17.58 14.16,17.45 U5#2.15 ; Q9#4.1 61,24.04 61.13,23.91 61.13,22.4 60.69,21.96 60.38,21.96 59.14,20.72 59.14,19.72 59.87,18.98 60.26,18.98 60.6,18.64 60.6,17.88 60.43,17.72 60.4,17.58 60.16,17.45 U5#3.15 ; Q9#3.1 90.33,21.21 90.2,21.34 90.2,22.85 90.64,23.29 90.95,23.29 92.19,24.53 92.19,25.54 91.46,26.27 91.07,26.27 90.74,26.61 90.74,27.37 90.9,27.54 90.93,27.67 91.17,27.81 U5#4.15 ; Q9.1 44.33,21.21 44.2,21.34 44.2,22.85 44.64,23.29 44.95,23.29 46.19,24.53 46.19,25.54 45.46,26.27 45.07,26.27 44.74,26.61 44.74,27.37 44.9,27.54 44.93,27.67 45.17,27.81 U5.15
srow_9: length 15.2
  Top w0.15: U5.1 44.65,21.79 44.92,21.52 44.92,19.87 44.63,19.58 Q10.1 ; U5#2.1 14.68,23.46 14.41,23.74 14.41,25.38 14.7,25.67 Q10#2.1 ; U5#3.1 60.68,23.46 60.41,23.74 60.41,25.38 60.7,25.67 Q10#4.1 ; U5#4.1 90.65,21.79 90.92,21.52 90.92,19.87 90.63,19.58 Q10#3.1
srow_10: length 10
  Top w0.15: U5.2 45.3,20.92 45.83,20.4 Q11.1 ; U5#2.2 14.03,24.33 13.51,24.86 Q11#2.1 ; U5#3.2 60.03,24.33 59.51,24.86 Q11#4.1 ; U5#4.2 91.3,20.92 91.83,20.4 Q11#3.1
srow_11: length 25.2
  Top w0.15: U5#2.3 13.38,22.26 13.61,22.04 13.61,21.61 13.07,21.08 12.05,21.08 11.81,20.84 9.43,20.84 Q12#2.1 ; U5#3.3 59.38,22.26 59.61,22.04 59.61,21.61 59.07,21.08 58.05,21.08 57.81,20.84 55.43,20.84 Q12#4.1 ; U5#4.3 91.95,22.99 91.73,23.22 91.73,23.64 92.26,24.18 93.28,24.18 93.52,24.42 95.9,24.42 Q12#3.1 ; Q12.1 49.9,24.42 47.52,24.42 47.28,24.18 46.26,24.18 45.73,23.64 45.73,23.22 45.95,22.99 U5.3
srow_12: length 35.1
  Top w0.15: U5#2.4 12.73,22.12 12.49,21.87 12.49,21.62 12.27,21.41 11.88,21.41 11.59,21.12 10.61,21.12 10.47,21.27 8.67,21.27 8.04,21.1 7.54,20.24 7.68,19.73 8.29,19.38 8.33,19.21 Q13#2.1 ; U5#3.4 58.73,22.12 58.49,21.87 58.49,21.62 58.27,21.41 57.88,21.41 57.59,21.12 56.61,21.12 56.47,21.27 54.67,21.27 54.04,21.1 53.54,20.24 53.68,19.73 54.29,19.38 54.33,19.21 Q13#3.1 ; U5#4.4 92.6,23.14 92.85,23.38 92.85,23.63 93.06,23.84 93.45,23.84 93.74,24.13 94.72,24.13 94.86,23.99 96.66,23.99 97.29,24.16 97.79,25.02 97.65,25.53 97.05,25.88 97,26.05 Q13#4.1 ; Q13.1 51,26.05 51.05,25.88 51.65,25.53 51.79,25.02 51.29,24.16 50.66,23.99 48.86,23.99 48.72,24.13 47.74,24.13 47.45,23.84 47.06,23.84 46.85,23.63 46.85,23.38 46.6,23.14 U5.4
srow_13: length 72.9
  Top w0.15: U5#2.5 12.08,22.26 11.66,21.84 11.23,21.84 11.16,21.91 10.82,22.11 9.91,22.11 9.72,22.3 9.17,22.3 8.83,21.72 7.94,21.48 4.33,15.23 4.45,14.8 2.89,12.1 2.36,11.57 2.36,11.14 2.55,10.94 Q14#2.1 ; U5#3.5 58.08,22.26 57.66,21.84 57.23,21.84 57.16,21.91 56.82,22.11 55.91,22.11 55.72,22.3 55.17,22.3 54.83,21.72 53.94,21.48 50.33,15.23 50.45,14.8 48.89,12.1 48.36,11.57 48.36,11.14 48.55,10.94 Q14#4.1 ; U5#4.5 93.25,22.99 93.68,23.42 94.1,23.42 94.17,23.34 94.51,23.15 95.42,23.15 95.62,22.95 96.16,22.95 96.5,23.54 97.39,23.77 101,30.03 100.88,30.46 102.44,33.15 102.98,33.69 102.98,34.12 102.78,34.31 Q14#3.1 ; Q14.1 56.78,34.31 56.98,34.12 56.98,33.69 56.44,33.15 54.88,30.46 55,30.03 51.39,23.77 50.5,23.54 50.16,22.95 49.62,22.95 49.42,23.15 48.51,23.15 48.17,23.34 48.1,23.42 47.68,23.42 47.25,22.99 U5.5
srow_14: length 97.3
  Top w0.15: U5#2.6 11.27,22.59 v1(11.36,22.26) ; v1(3.76,8.24) 3.53,8.46 2.98,8.46 2.63,8.81 2.63,9.35 2.78,9.5 Q15#2.1 ; U5#3.6 57.27,22.59 v1(57.36,22.26) ; v1(49.76,8.24) 49.53,8.46 48.98,8.46 48.63,8.81 48.63,9.35 48.78,9.5 Q15#4.1 ; U5#4.6 94.06,22.66 v1(93.97,22.99) ; v1(101.58,37.02) 101.8,36.79 102.35,36.79 102.7,36.44 102.7,35.91 102.55,35.76 Q15#3.1 ; v1(55.58,37.02) 55.8,36.79 56.35,36.79 56.7,36.44 56.7,35.91 56.55,35.76 Q15.1 ; v1(47.97,22.99) 48.06,22.66 U5.6
  In2.Cu w0.15: v1(11.36,22.26) 11.13,22.49 11.13,23.71 10.5,24.34 10.11,24.24 7.22,19.23 7.48,18.24 6.99,17.39 7.07,17.09 6.35,15.85 5.41,14.9 5.41,12.91 4.9,12.04 5.39,10.24 5.39,9.87 v1(3.76,8.24) ; v1(57.36,22.26) 57.13,22.49 57.13,23.71 56.5,24.34 56.11,24.24 53.22,19.23 53.48,18.24 52.99,17.39 53.07,17.09 52.35,15.85 51.41,14.9 51.41,12.91 50.9,12.04 51.39,10.24 51.39,9.87 v1(49.76,8.24) ; v1(93.97,22.99) 94.2,22.76 94.2,21.55 94.83,20.91 95.22,21.02 98.11,26.03 97.85,27.01 98.34,27.86 98.26,28.16 98.98,29.41 99.92,30.35 99.92,32.34 100.43,33.22 99.94,35.02 99.94,35.39 v1(101.58,37.02) ; v1(47.97,22.99) 48.2,22.76 48.2,21.55 48.83,20.91 49.22,21.02 52.11,26.03 51.85,27.01 52.34,27.86 52.26,28.16 52.98,29.41 53.92,30.35 53.92,32.34 54.43,33.22 53.94,35.02 53.94,35.39 v1(55.58,37.02)
U1_r_ext: length 4.7
  Top w0.15: U1.23 34.71,29.79 34.79,29.71 R1.1 ; R1#2.1 24.54,15.55 24.62,15.47 U1#2.23 ; R1#3.1 70.54,15.55 70.62,15.47 U1#3.23 ; R1#4.1 80.79,29.71 80.71,29.79 U1#4.23
U2_r_ext: length 10.4
  Top w0.127: 14.82,14.2 15.04,14.2 15.17,14.33 U2#2.23 ; 60.82,14.2 61.04,14.2 61.17,14.33 U2#3.23 ; 90.51,31.06 90.29,31.06 90.16,30.93 U2#4.23 ; 44.51,31.06 44.29,31.06 44.16,30.93 U2.23
  Top w0.15: 14.82,14.2 14.27,14.2 14.12,14.35 14.01,14.32 R2#2.1 ; 60.82,14.2 60.27,14.2 60.12,14.35 60.01,14.32 R2#3.1 ; 90.51,31.06 91.06,31.06 91.21,30.9 91.32,30.93 R2#4.1 ; R2.1 45.32,30.93 45.21,30.9 45.06,31.06 44.51,31.06
U3_r_ext: length 6.5
  Top w0.15: U3#2.23 5.82,14.84 5.75,15.13 5.91,15.41 6.18,15.48 R3#2.1 ; U3#4.23 51.82,14.84 51.75,15.13 51.91,15.41 52.18,15.48 R3#3.1 ; U3#3.23 99.51,30.42 99.59,30.13 99.42,29.85 99.15,29.77 R3#4.1 ; U3.23 53.51,30.42 53.59,30.13 53.42,29.85 53.15,29.77 R3.1

## Copper pours and planes (outline as drawn; the poured copper is in the pictures)
gnd on Top: 22.32,38.07 60.05,38.07 41.17,5.37
gnd on Top: 37.01,7.19 -0.72,7.19 18.16,39.89
gnd on Top: 83.01,7.19 45.28,7.19 64.16,39.89
gnd on Top: 68.32,38.07 106.05,38.07 87.17,5.37
gnd on Bottom: 22.33,38.07 60.05,38.07 41.18,5.37
gnd on Bottom: 37.01,7.19 -0.72,7.19 18.16,39.89
gnd on Bottom: 83.01,7.19 45.28,7.19 64.16,39.89
gnd on Bottom: 68.33,38.07 106.05,38.07 87.18,5.37
gnd on In1.Cu: 22.32,38.07 60.05,38.07 41.17,5.37
gnd on In1.Cu: 37.01,7.19 -0.72,7.19 18.16,39.89
gnd on In1.Cu: 83.01,7.19 45.28,7.19 64.16,39.89
gnd on In1.Cu: 68.32,38.07 106.05,38.07 87.17,5.37
gnd on In2.Cu: 22.32,38.07 60.05,38.07 41.17,5.37
gnd on In2.Cu: 37.01,7.19 -0.72,7.19 18.16,39.89
gnd on In2.Cu: 68.32,38.07 106.05,38.07 87.17,5.37
gnd on In2.Cu: 83.01,7.19 45.28,7.19 64.16,39.89
(no net) on Top: 104.91,41.5 104.91,45 14.41,45 14.41,41.5
(no net) on Top: 0.41,3.75 0.41,0.25 90.91,0.25 90.91,3.75
(no net) on Bottom: 104.91,41.5 104.91,45 14.41,45 14.41,41.5
(no net) on Bottom: 0.41,3.75 0.41,0.25 90.91,0.25 90.91,3.75
(no net) on In1.Cu: 104.91,41.5 104.91,45 14.41,45 14.41,41.5
(no net) on In1.Cu: 0.41,3.75 0.41,0.25 90.91,0.25 90.91,3.75
(no net) on In2.Cu: 104.91,41.5 104.91,45 14.41,45 14.41,41.5
(no net) on In2.Cu: 0.41,3.75 0.41,0.25 90.91,0.25 90.91,3.75
